# Altium PCB 脑电采集板V1.0.PcbDoc (part 1 of 2)
Units mil, origin at the board's own origin, x right, y up, seen from the top; angles counter-clockwise.
Board outline 3937.01 x 3228.35 mil, 2 copper layers (Top Layer, Bottom Layer); 167 components, 112 nets, 628 pads, 199 vias.
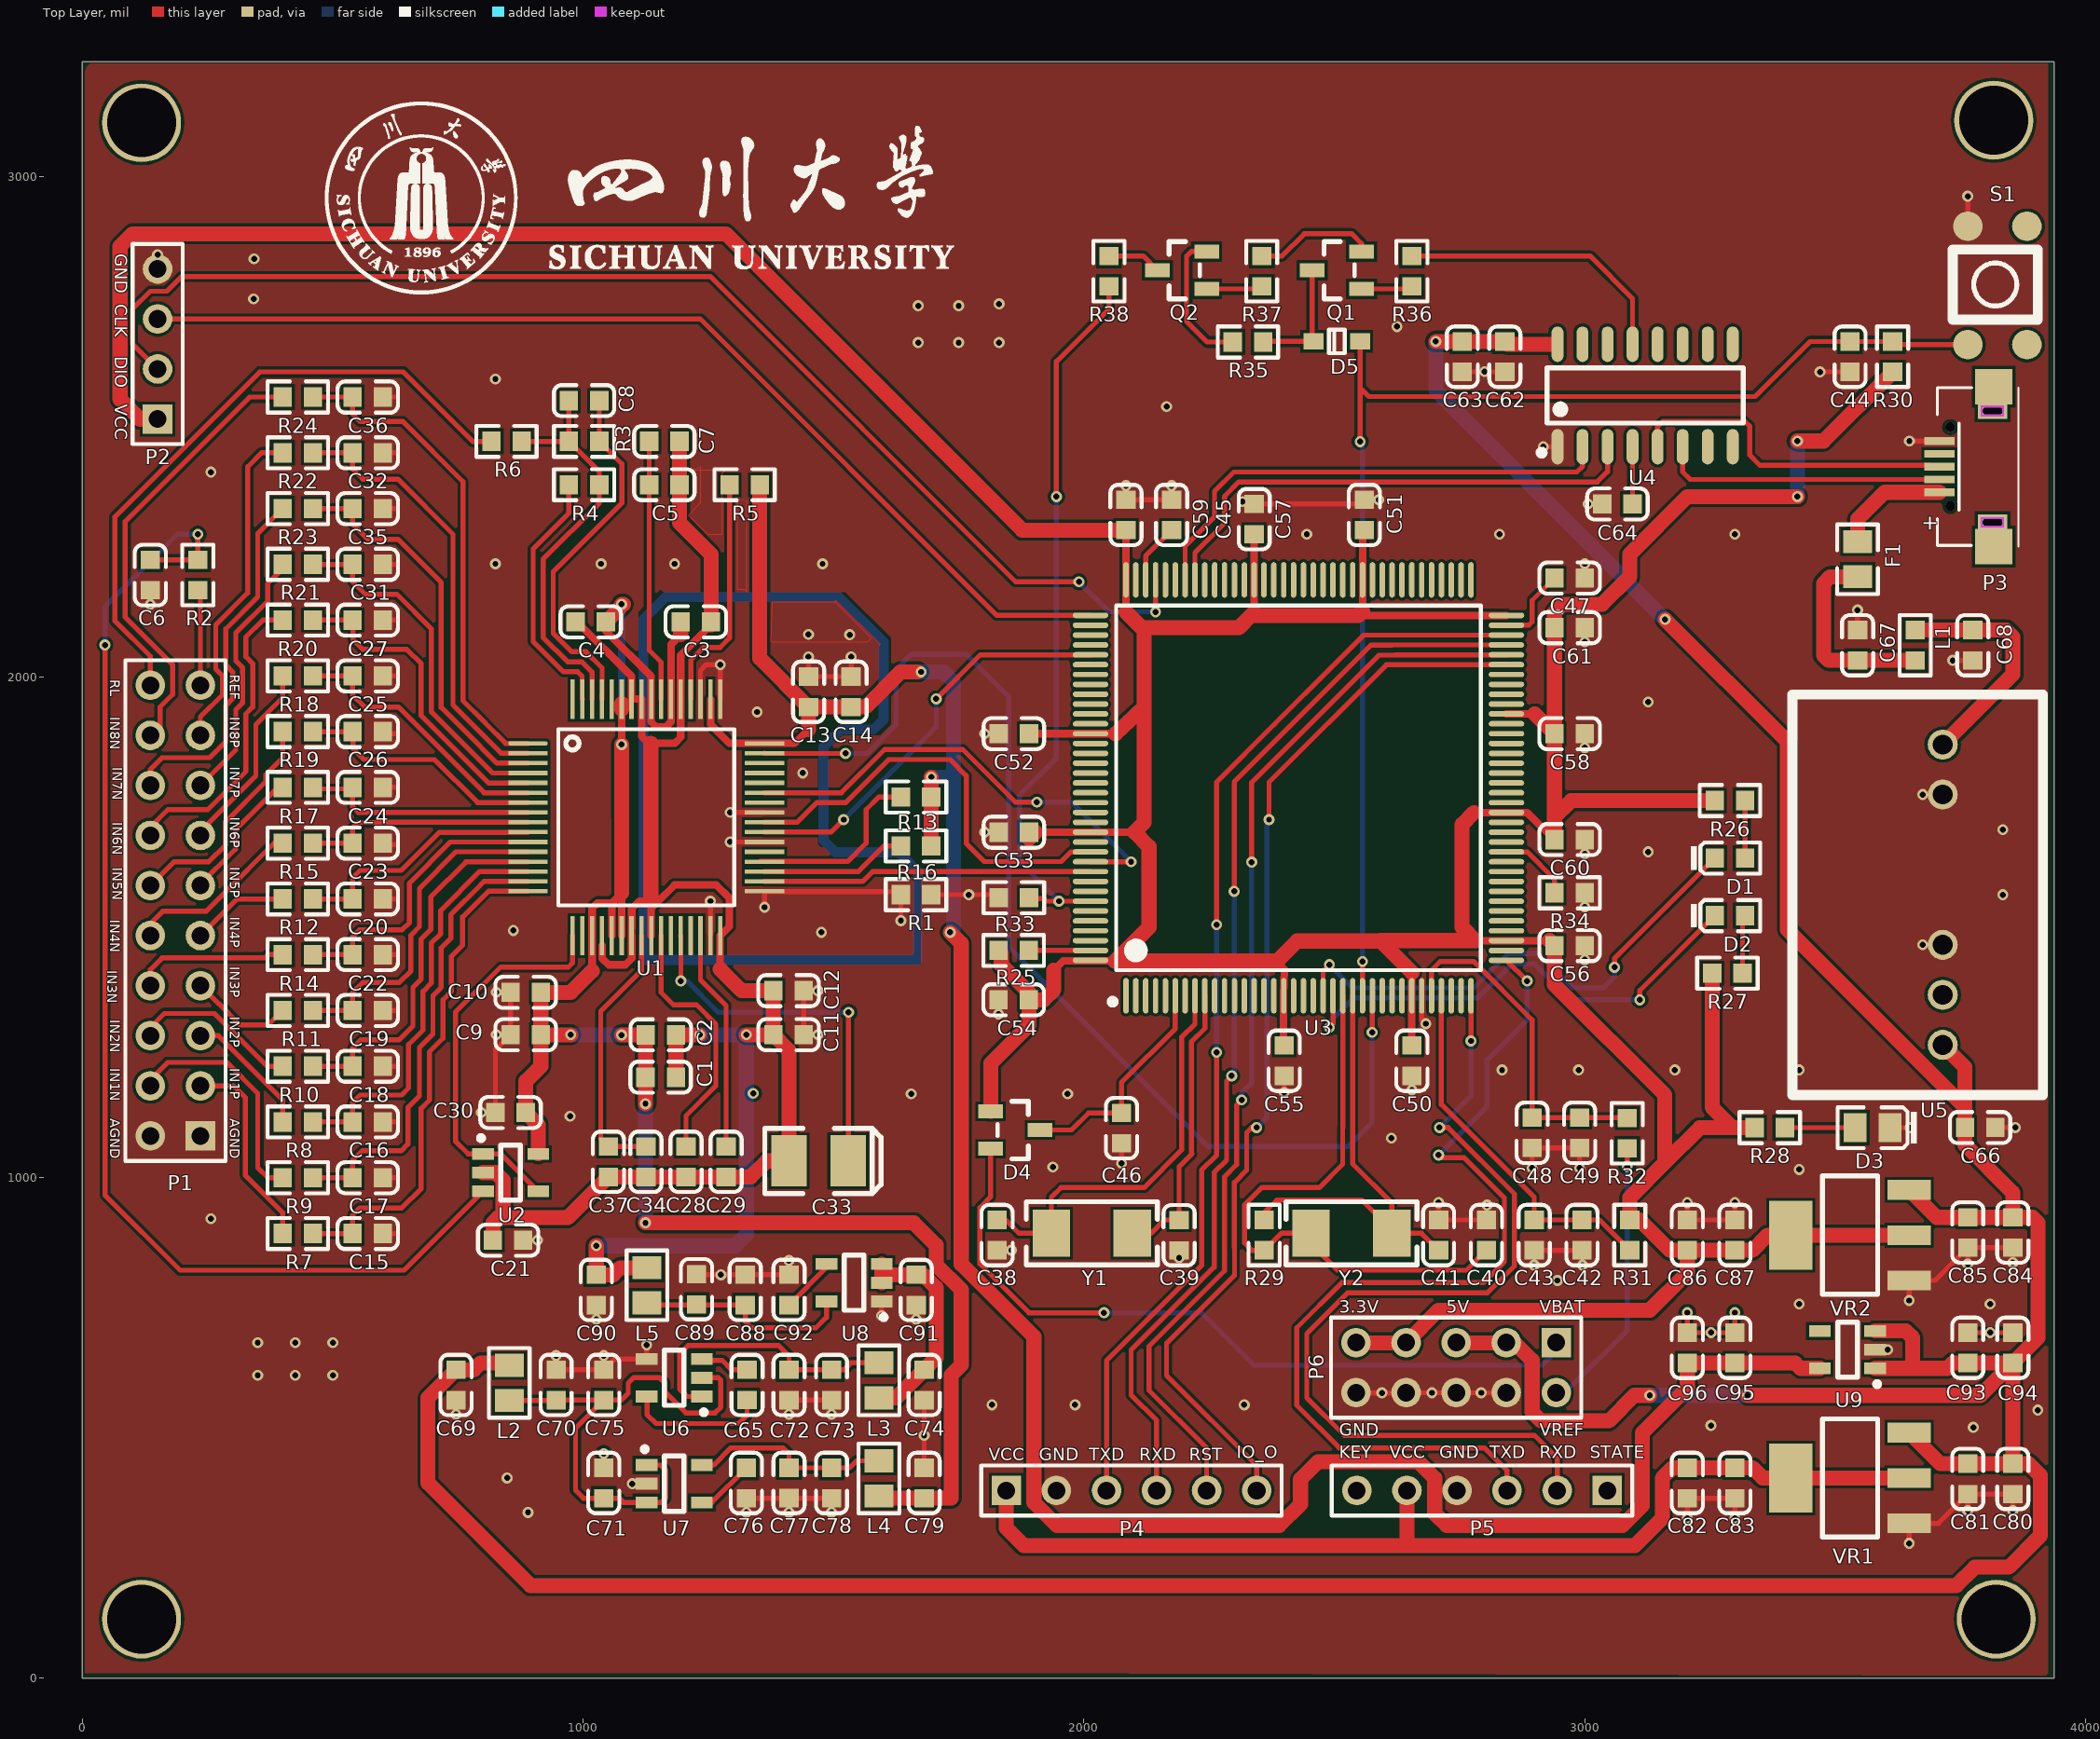
[diagram p0: Top Layer view]
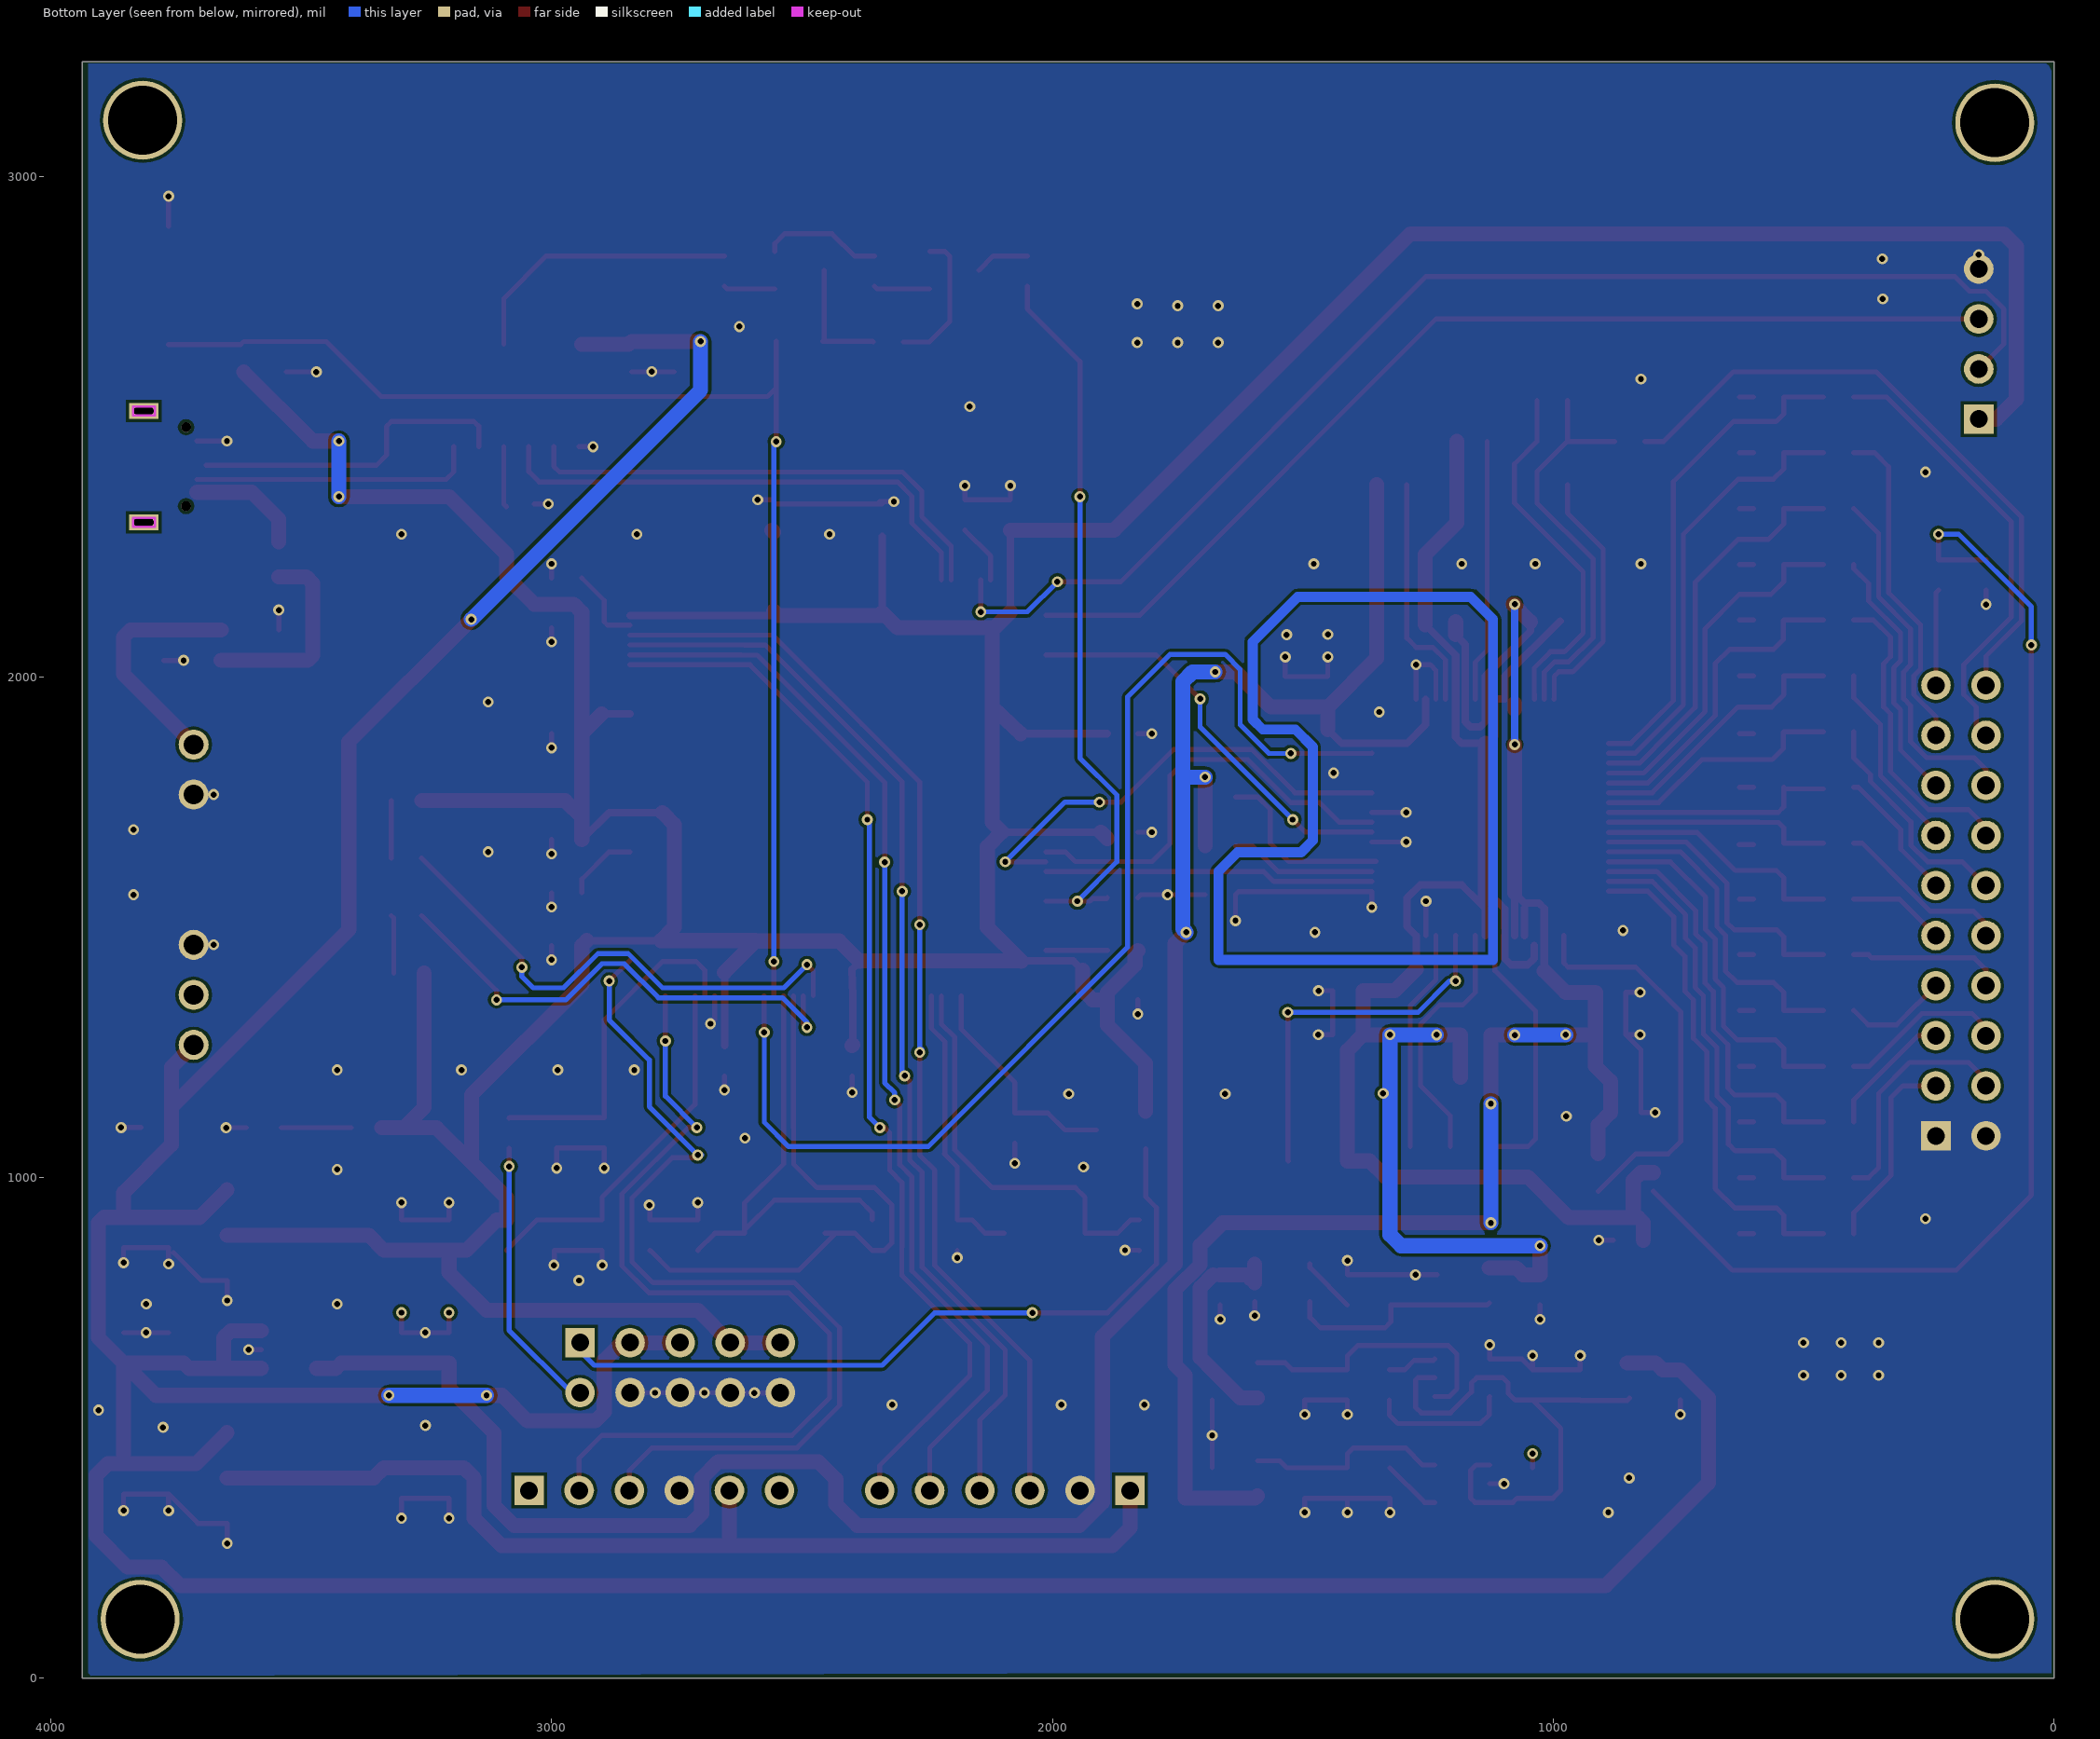
[diagram p1: Bottom Layer view, seen from below]
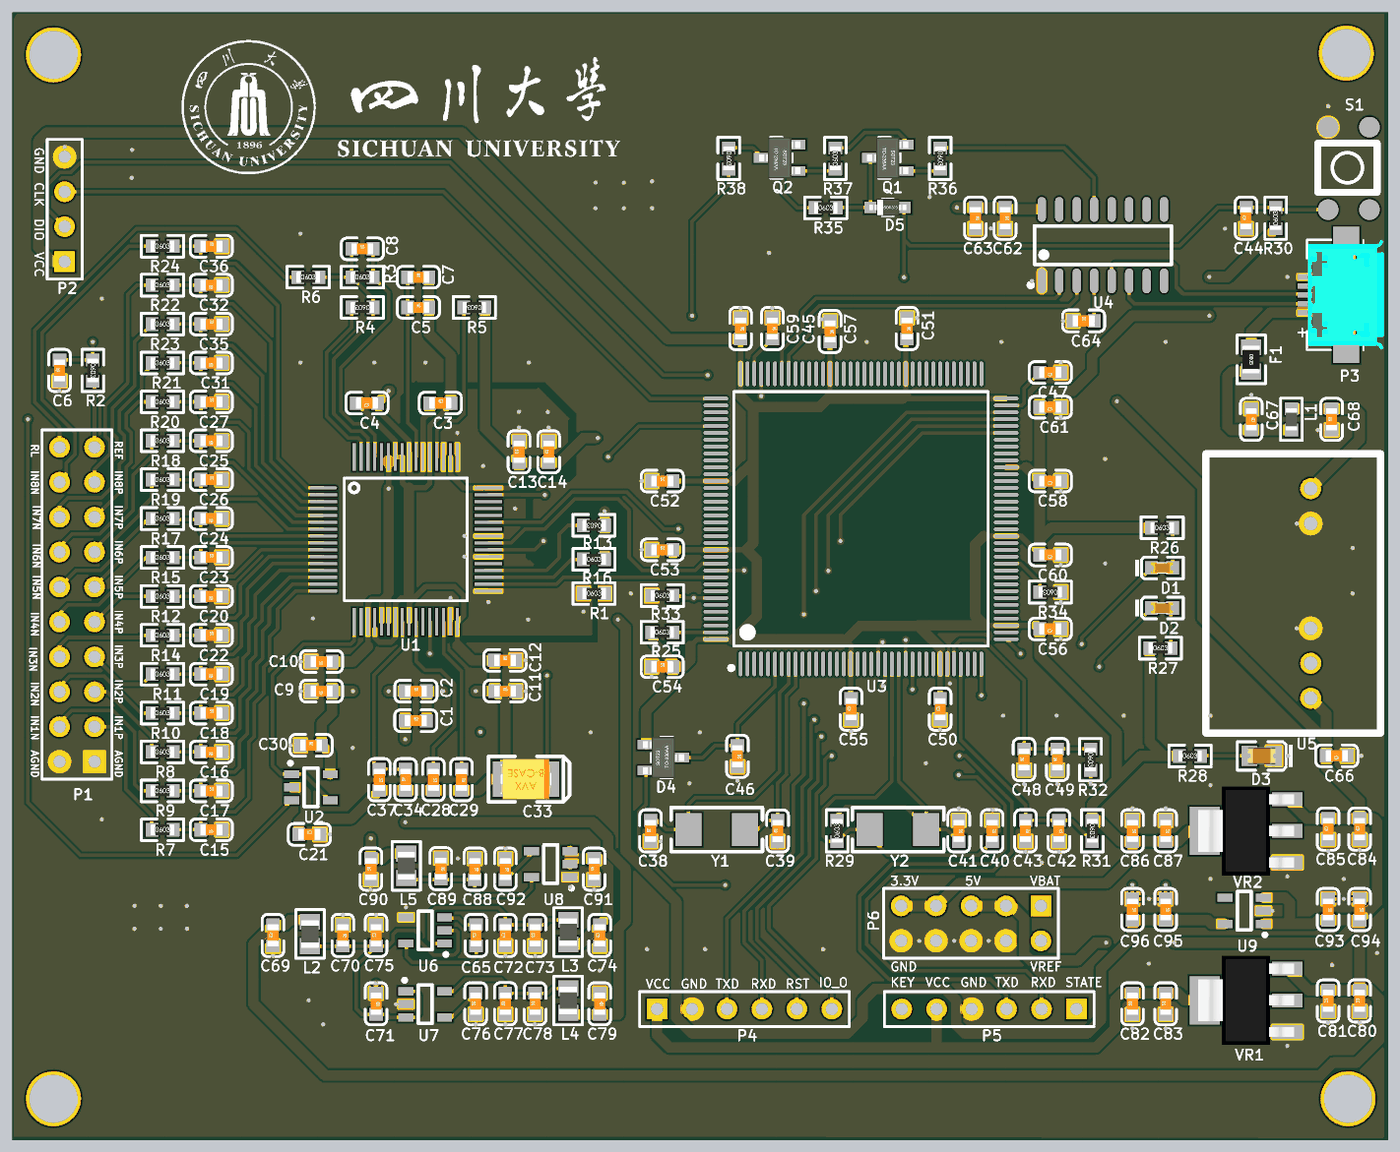
[diagram p3: 3D render of the assembled board from above, using the file's embedded part models]

## Layer stack, top to bottom
Top Solder: solder mask 0.4, Solder Resist, Dk 3.5
Top Layer: signal copper 1.4
Dielectric 1: dielectric 12.6, FR-4, Dk 4.8
Bottom Layer: signal copper 1.4
Bottom Solder: solder mask 0.4, Solder Resist, Dk 3.5

## Board outline
0,0 3937.01,0 3937.01,3228.35 0,3228.35

## Design rules (kind name [scope] priority, off if disabled: settings)
Clearance [All] p1: gap=6 ignorepadtopadclearanceinfootprint=FALSE
PlaneClearance [All] p1: clearance=8
PolygonConnect [All] p1: connectstyle=Direct reliefconductorwidth=10 reliefentries=4 polygonreliefangle="90 Angle" airgapwidth=10
RoutingVias [All] p1: holewidth=12 width=22 viastyle="Through Hole" minholewidth=12 minwidth=22 maxholewidth=12 maxwidth=22
SolderMaskExpansion [All] p1: expansion=4
Width [All] p1: maxlimit=30 minlimit=6 preferedwidth=10
29 further rules are at their usual default settings.

## Classes and differential pairs
component class Sheet3: C65 C66 C67 C68 C69 C70 C71 C72 C73 C74 C75 C76 C77 C78 C79 C80 C81 C82 C83 C84 C85 C86 C87 C88 C89 C90 C91 C92 C93 C94 C95 C96 F1 L1 L2 L3 L4 L5 P6 U5 U6 U7 U8 U9 VR1 VR2
component class Sheet2: C62 C63 C64 D5 P3 P4 P5 Q1 Q2 R35 R36 R37 R38 U4
component class Sheet1: C38 C39 C40 C41 C42 C43 C44 C45 C46 C47 C48 C49 C50 C51 C52 C53 C54 C55 C56 C57 C58 C59 C60 C61 D1 D2 D3 D4 P2 R25 R26 R27 R28 R29 R30 R31 R32 R33 R34 S1 U3 Y1 Y2
component class EEG: C1 C2 C3 C4 C5 C6 C7 C8 C9 C10 C11 C12 C13 C14 C15 C16 C17 C18 C19 C20 C21 C22 C23 C24 C25 C26 C27 C28 C29 C30 C31 C32 C33 C34 C35 C36 C37 P1 R1 R2 R3 R4 R5 R6 R7 R8 R9 R10 R11 R12 R13 R14 R15 R16 R17 R18 R19 R20 R21 R22 R23 R24 U1 U2

## Components (designator, comment, footprint, x,y, rotation, side; value= is the part's Value field where it differs from the comment)
C1 "1uF 50V" 0603_C 1154.69,1200.46 r0 top
C2 "100nF 50V" 0603_C 1155.01,1285.14 r0 top
C3 "1uF 50V" 0603_C 1225,2110 r0 top
C4 "100nF 50V" 0603_C 1015,2110 r180 top
C5 "1uF 50V" 0603_C 1162.09,2383.88 r0 top
C6 "4.7nF 50V" 0603_C 135.55,2203.45 r90 top
C7 "100nF 50V" 0603_C 1162.09,2470.55 r0 top
C8 "10nF 50V" 0603_C 1001.81,2551.81 r0 top
C9 "1uF 50V" 0603_C 885,1285.31 r180 top
C10 "100nF 50V" 0603_C 885,1370 r180 top
C11 "1uF 50V" 0603_C 1410.24,1285.31 r0 top
C12 "100nF 50V" 0603_C 1409.92,1373.33 r0 top
C13 "1uF 50V" 0603_C 1450,1970.32 r90 top
C14 "100nF 50V" 0603_C 1535,1970.32 r90 top
C15 "4.7nF 50V" 0603_C 569.61,888.33 r180 top
C16 "4.7nF 50V" 0603_C 569.61,1111.09 r180 top
C17 "4.7nF 50V" 0603_C 569.61,999.71 r0 top
C18 "4.7nF 50V" 0603_C 569.61,1222.47 r0 top
C19 "4.7nF 50V" 0603_C 569.61,1333.84 r180 top
C20 "4.7nF 50V" 0603_C 569.61,1556.6 r180 top
C21 "1uF (105) 10% 50V" 0603_C 850,875 r0 top
C22 "4.7nF 50V" 0603_C 569.61,1445.22 r0 top
C23 "4.7nF 50V" 0603_C 569.61,1667.98 r0 top
C24 "4.7nF 50V" 0603_C 569.61,1779.36 r180 top
C25 "4.7nF 50V" 0603_C 569.61,2002.11 r180 top
C26 "4.7nF 50V" 0603_C 569.61,1890.73 r0 top
C27 "4.7nF 50V" 0603_C 569.61,2113.49 r0 top
C28 "1uF 50V" 0603_C 1205.31,1031.56 r270 top
C29 "1uF 50V" 0603_C 1285.31,1031.56 r270 top
C30 "1uF (105) 10% 50V" 0603_C 855,1130 r0 top
C31 "4.7nF 50V" 0603_C 569.61,2224.87 r180 top
C32 "4.7nF 50V" 0603_C 569.61,2447.62 r180 top
C33 "100uF (107) ±10% 6.3V" CASE-B_3528 1470,1033.23 r0 top
C34 "10uF (106) 10% 10V" 0603_C 1125.31,1031.56 r90 top
C35 "4.7nF 50V" 0603_C 569.61,2336.25 r0 top
C36 "4.7nF 50V" 0603_C 569.61,2559 r0 top
C37 "100nF 50V" 0603_C 1050.31,1031.56 r270 top
C38 "10pF" 0603_C 1826.42,885.14 r90 top
C39 "10pF" 0603_C 2190,885 r90 top
C40 "22pF" 0603_C 2803.67,885.14 r270 top
C41 "22pF" 0603_C 2708.23,885.14 r270 top
C42 "10uF  10V" 0603_C 2994.56,885.14 r270 top
C43 "100nF  50V" 0603_C 2899.11,885.14 r270 top
C44 "100nF  50V" 0603_C 3530,2639.57 r90 top
C45 "2.2uF 16V" 0603_C 2175,2323.45 r270 top
C46 "100nF  50V" 0603_C 2075,1098.77 r270 top
C47 "2.2uF (225) 10% 16V" 0603_C 2970,2197.55 r180 top
C48 "10uF  10V" 0603_C 2895,1089.4 r90 top
C49 "100nF  50V" 0603_C 2990,1089.4 r90 top
C50 "100nF  50V" 0603_C 2654.8,1233.45 r90 top
C51 "100nF  50V" 0603_C 2560,2323.45 r270 top
C52 "100nF  50V" 0603_C 1860,1886.72 r0 top
C53 "100nF  50V" 0603_C 1860,1689.87 r0 top
C54 "100nF  50V" 0603_C 1859.68,1355 r0 top
C55 "100nF  50V" 0603_C 2400,1233.45 r90 top
C56 "100nF  50V" 0603_C 2970,1463.45 r180 top
C57 "100nF  50V" 0603_C 2340,2315.04 r270 top
C58 "100nF  50V" 0603_C 2970,1886.78 r180 top
C59 "100nF  50V" 0603_C 2083.94,2323.45 r270 top
C60 "100nF  50V" 0603_C 2970,1675.12 r180 top
C61 "100nF  50V" 0603_C 2970,2098.45 r180 top
C62 "10uF (106) 10% 10V" 0603_C 2840.67,2639.57 r270 top
C63 "100nF (104) 10% 50V" 0603_C 2755.67,2639.57 r270 top
C64 "100nF (104) 10% 50V" 0603_C 3065.35,2345.35 r0 top
C65 "1uF (105) 10% 50V" 0603_C 1327.19,585.77 r90 top
C66 "10uF 10V" 0603_C 3789.69,1100 r180 top
C67 "4.7uF 16V" 0603_C 3545,2063.33 r270 top
C68 "4.7uF 16V" 0603_C 3775,2063.33 r90 top
C69 "10uF 10V" 0603_C 745.95,585.75 r90 top
C70 "10uF 10V" 0603_C 945.95,585.75 r270 top
C71 "1uF (105) 10% 50V" 0603_C 1040.94,390 r270 top
C72 "10uF 10V" 0603_C 1410.95,585.75 r90 top
C73 "1uF (105) 10% 50V" 0603_C 1495.96,585.75 r90 top
C74 "10uF 10V" 0603_C 1680.95,585.75 r90 top
C75 "1uF (105) 10% 50V" 0603_C 1040.94,585.75 r90 top
C76 "1uF (105) 10% 50V" 0603_C 1325.95,390 r90 top
C77 "2.2uF (225) 10% 16V" 0603_C 1410.95,390.17 r90 top
C78 "10uF 10V" 0603_C 1495.96,390 r90 top
C79 "10uF 10V" 0603_C 1680.95,390 r270 top
C80 "22uF 6.3V" 0603_C 3855,398.31 r90 top
C81 "100nF 50V" 0603_C 3765,398.31 r90 top
C82 "100nF 50V" 0603_C 3205,390 r90 top
C83 "22uF 6.3V" 0603_C 3300,390 r90 top
C84 "22uF 6.3V" 0603_C 3855,890.32 r90 top
C85 "100nF 50V" 0603_C 3765,890.32 r90 top
C86 "100nF 50V" 0603_C 3205,885.14 r270 top
C87 "22uF 6.3V" 0603_C 3300,885.14 r270 top
C88 "10uF 10V" 0603_C 1323.65,775.63 r270 top
C89 "2.2uF (225) 10% 16V" 0603_C 1226.43,777.01 r270 top
C90 "10uF 10V" 0603_C 1026.21,775.63 r90 top
C91 "2.2uF 16V" 0603_C 1665,775.63 r90 top
C92 "10nF (103) 10% 50V" 0603_C 1410.95,775.63 r270 top
C93 "22uF" 0603_C 3765,660 r270 top
C94 "100nF 50V" 0603_C 3855,660 r270 top
C95 "22uF" 0603_C 3300,660 r270 top
C96 "100nF 50V" 0603_C 3205,660 r270 top
D1 "绿灯 0603" 0603_LED_S1 3290,1638.12 r0 top
D2 "绿灯 0603" 0603_LED_S1 3290,1523.23 r0 top
D3 "红灯 0805" 0805_LED_S1 3574.96,1099.69 r180 top
D4 "BAV70 A4" SOT-23(SOT-23-3) 1862.99,1095 r180 top
D5 "1N4148WS T4" SOD-323 2505,2670 r0 top
F1 "Fuse 1A" 0805_R 3545,2234.96 r270 top
L1 "6.8uH" 0603_L 3660,2063.33 r90 top
L2 "3.3uH±10%" 0805_L 852.22,590.04 r270 top
L3 "3.3uH±10%" 0805_L 1590.62,595 r270 top
L4 "3.3uH±10%" 0805_L 1590.62,399.25 r270 top
L5 "3.3uH±10%" 0805_L 1127.51,784.88 r90 top
P1 "Header 10X2" HDR2X10 235.55,1083.33 r90 top
P2 "SWD" HDR1X4 150,2515 r90 top
P3 "USB" MICRO-USB 3795,2420 r90 top
P4 "ATK_ESP8266_CON" HDR1X6 1845,375 r0 top
P5 "HC-05_CON" HDR1X6 3045,375 r180 top
P6 "POWER_CON" HDR2X5 2943.37,670.4 r180 top
Q1 "SS8050 Y1" SOT-23(SOT-23-3) 2505,2812.32 r0 top
Q2 "SS8550 Y2" SOT-23(SOT-23-3) 2195.79,2812.32 r0 top
R1 "0Ω" 0603_R 1664.68,1565 r0 top
R2 "4.99KΩ (4991) ±1%" 0603_R 230.55,2203.45 r270 top